# Altium PCB PCB_Designn.PcbDoc
Units mm, origin at the board's own origin, x right, y up, seen from the top; angles counter-clockwise.
Board outline 154 x 101 mm, 2 copper layers (Top Layer, Bottom Layer), stack 1.569 mm thick; 72 components, 70 nets, 254 pads, 34 vias.
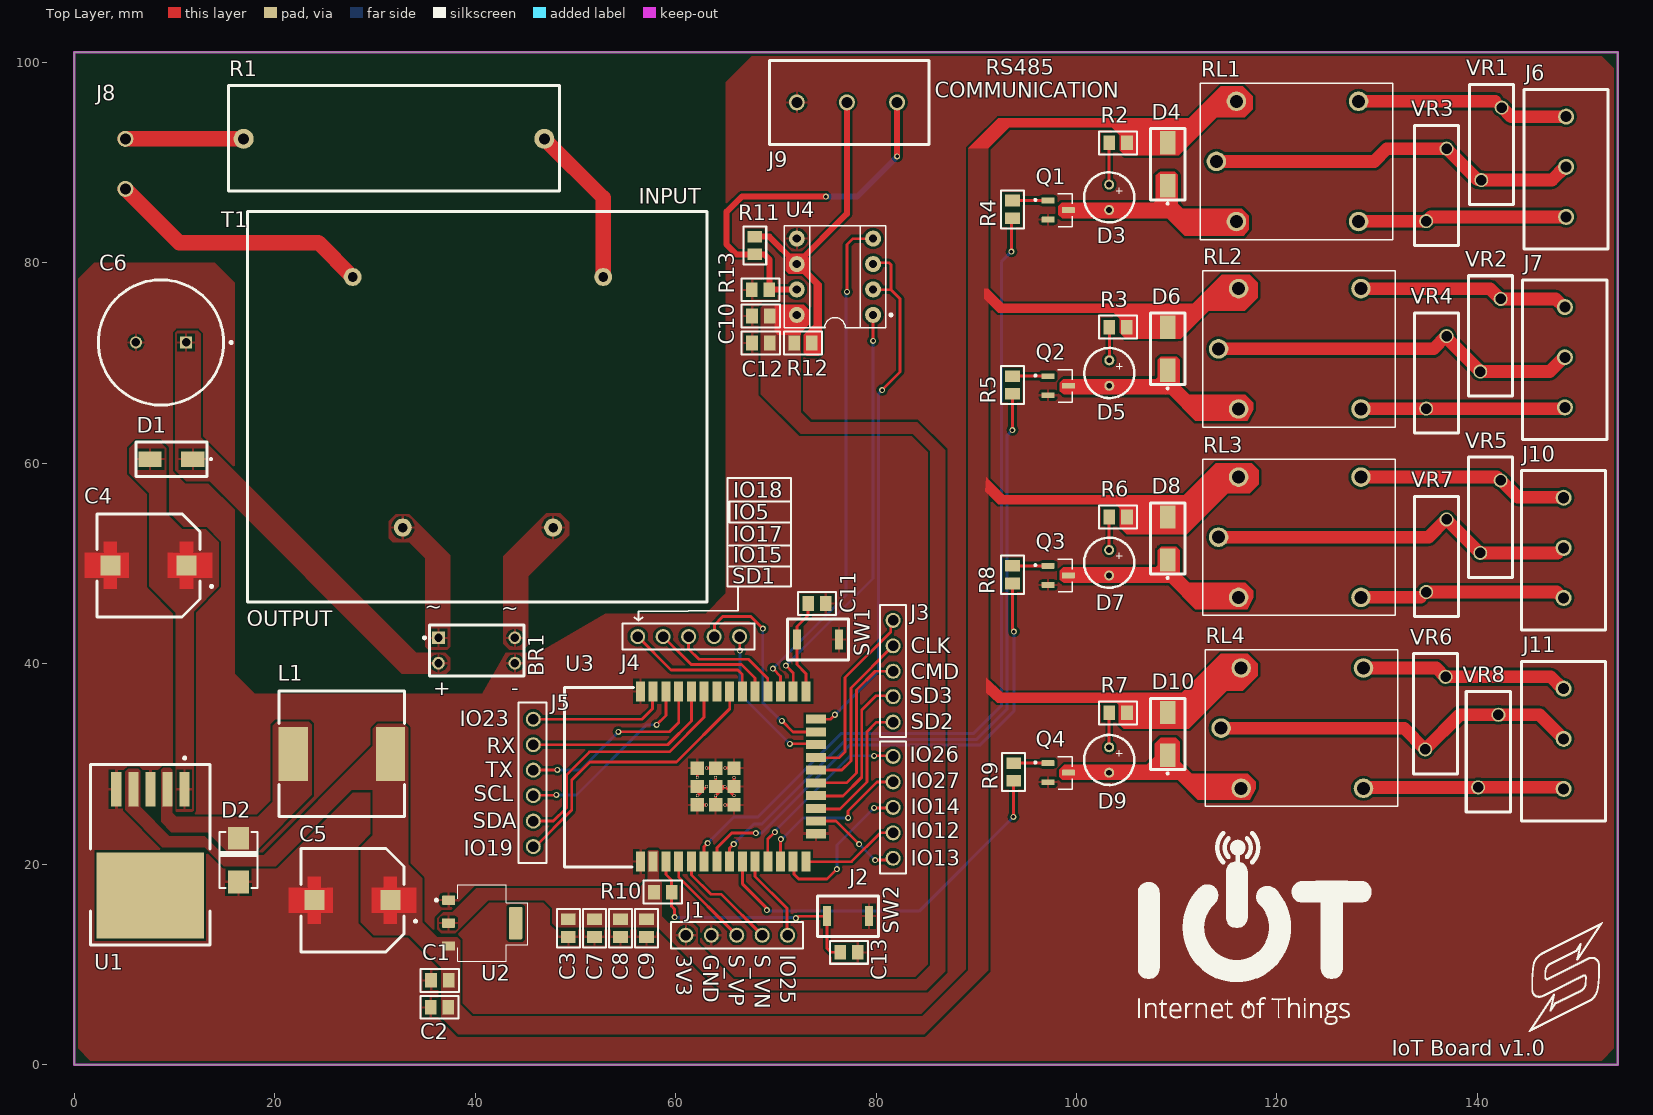
[diagram p0: Top Layer view]
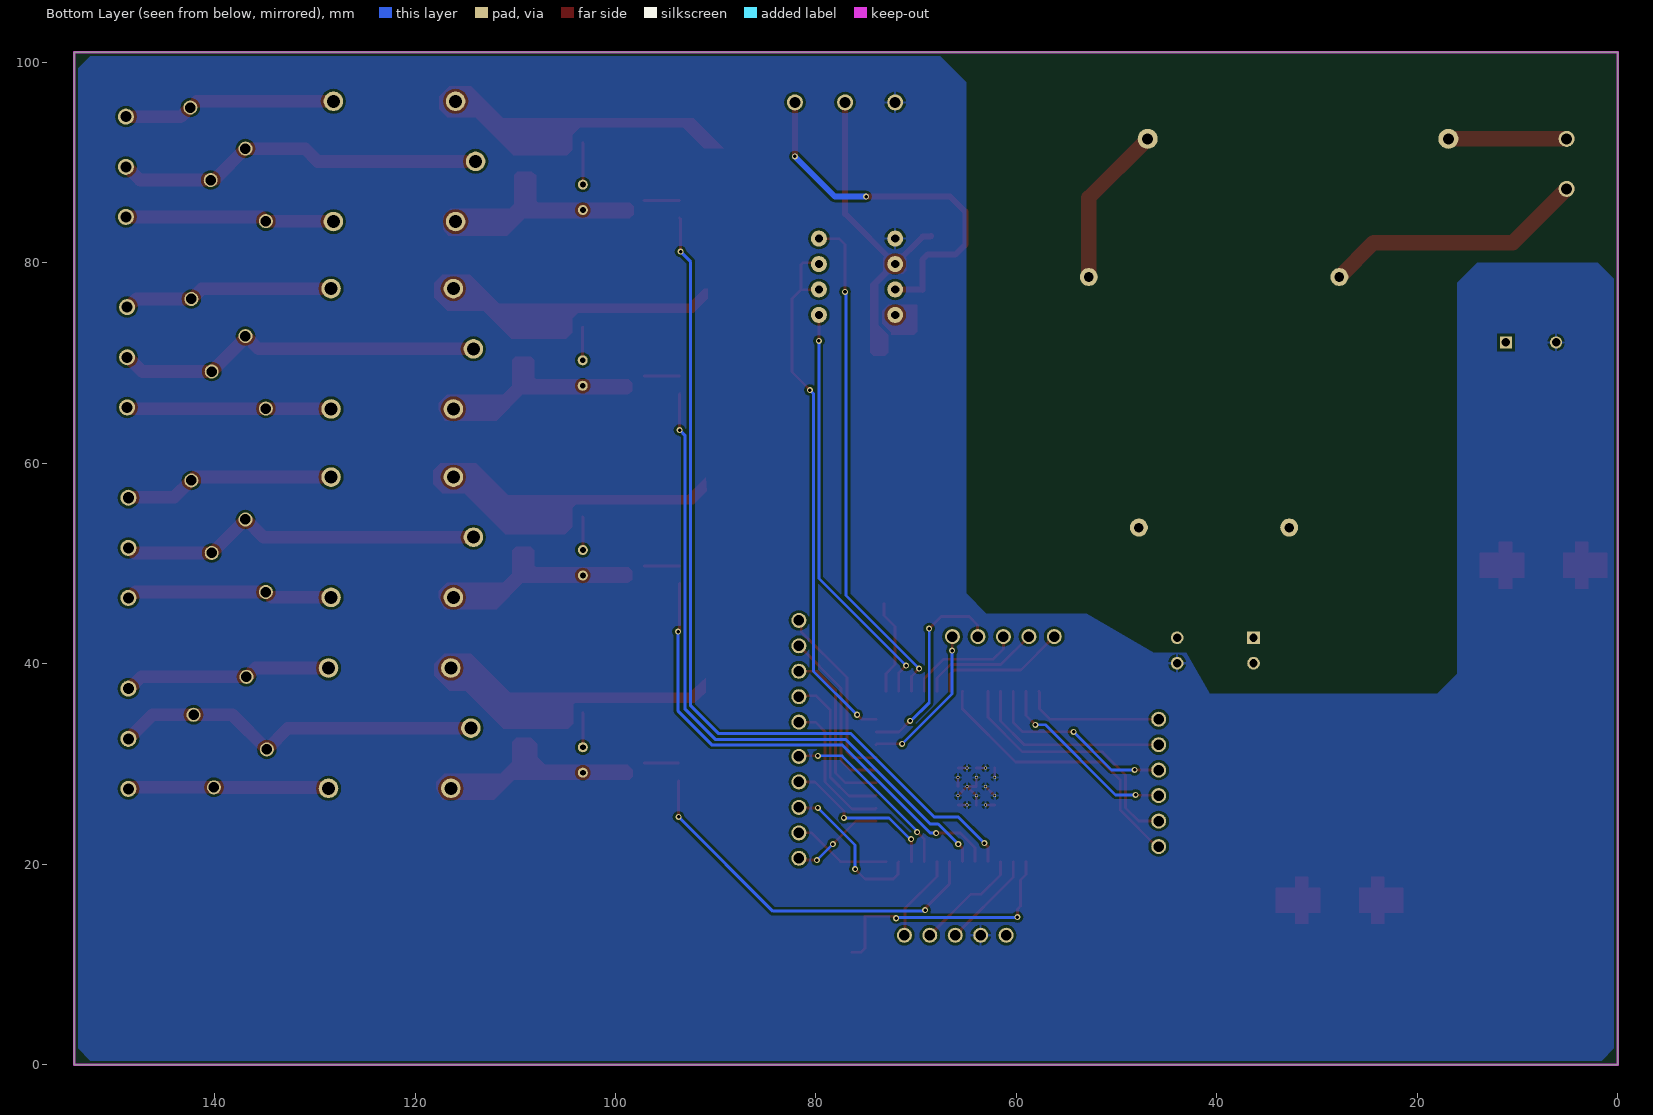
[diagram p1: Bottom Layer view, seen from below]
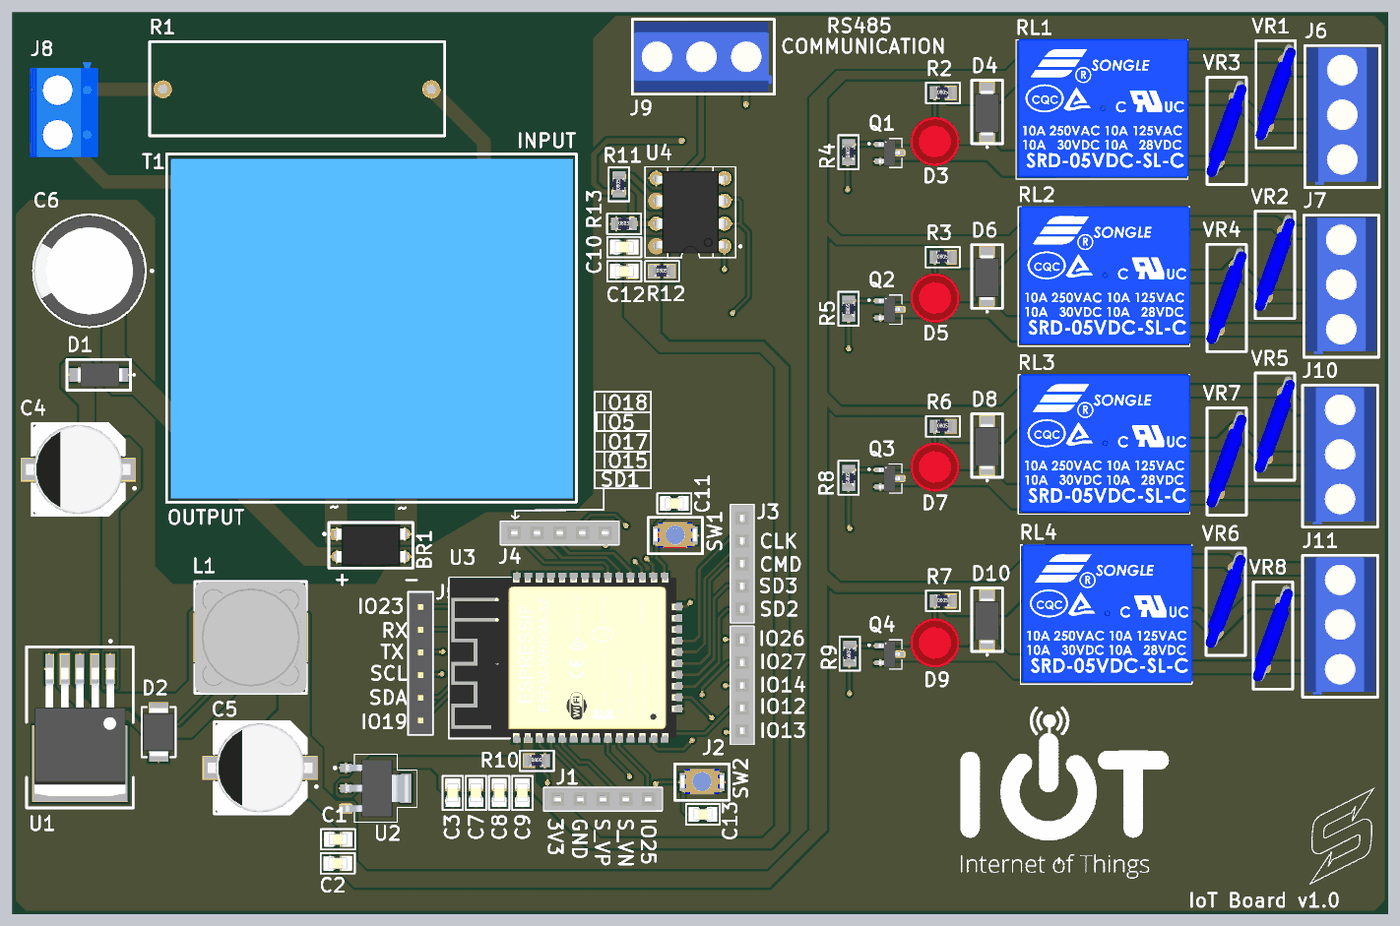
[diagram p2: 3D render of the assembled board from above, using the file's embedded part models]

## Layer stack, top to bottom
Top Solder: solder mask 0.0254, SM-001, Dk 4
Top Layer: signal copper 0.035
Dielectric 1: core 1.4986, Core-043, Dk 4.3
Bottom Layer: signal copper 0.035
Bottom Solder: solder mask 0.0254, SM-001, Dk 4

## Board outline
0,0 154,0 154,101 0,101

## Design rules (kind name [scope] priority, off if disabled: settings)
Clearance [All] p1: gap=0.254 ignorepadtopadclearanceinfootprint=FALSE except(0: Arc-Hole Track-Hole SMDPad-Hole THPad-Hole Via-Hole Fill-Hole Poly-Hole Region-Hole Text-Hole)
Height [All] p1: minheight=0 maxheight=40 prefheight=12.7
PolygonConnect [All] p1: connectstyle=Relief reliefconductorwidth=0.254 reliefentries=4 polygonreliefangle="90 Angle" airgapwidth=0.254
RoutingVias [All] p1: holewidth=0.711 width=1.27 viastyle="Through Hole" minholewidth=0.2 minwidth=0.4 maxholewidth=0.35 maxwidth=0.6
SolderMaskExpansion [All] p1: expansion=0.102 istentingtop=FALSE
Width [All] p1: maxlimit=2 minlimit=0.12 preferedwidth=0.254 minimp=50.000000 maximp=50.000000 favimp=50.000000
29 further rules are at their usual default settings.

## Components (designator, comment, footprint, x,y, rotation, side; value= is the part's Value field where it differs from the comment)
BR1 "MB10M" MB10M 40.151,41.31 r0 top
C1 "CAP CER 22uF 0805" "CAP CER 1uF 0805" 36.475,8.402 r0 top
C2 "CAP CER 22uF 0805" "CAP CER 22uF 0805" 36.443,5.713 r0 top
C3 "CAP CER 22uF 0805" "CAP CER 22uF 0805" 49.3,13.6 r90 top
C4 "CAP ALU 680uF SMD RADIAL" "CAP ALU 680uF SMD RADIAL" 7.4,49.8 r180 top
C5 "CAP ALU 220uF SMD RADIAL" "CAP ALU 220uF SMD RADIAL" 27.75,16.4 r180 top
C6 "NOBBY" "CAP ALU 470uF THT" 8.655,72.044 r180 top
C7 "CAP CER 22uF 0805" "CAP CER 22uF 0805" 51.9,13.6 r90 top
C8 "CAP CER 0.1uF 0805" "CAP CER 0.1uF 0805" 54.5,13.6 r90 top
C9 "CAP CER 22uF 0805" "CAP CER 1uF 0805" 57.1,13.6 r90 top
C10 "CAP CER 22uF 0805" "CAP CER 10uF 0805" 68.5,74.69 r0 top
C11 "CAP CER 0.1uF 0805" "CAP CER 0.1uF 0805" 74.1,46 r180 top
C12 "CAP CER 0.1uF 0805" "CAP CER 0.1uF 0805" 68.5,71.99 r0 top
C13 "CAP CER 0.1uF 0805" "CAP CER 0.1uF 0805" 77.3,11.2 r180 top
D1 "M7-KT 1N4007 SMD" "M7-KT 1N4007 SMD" 9.7,60.4 r180 top
D2 "1SMB5919BT3G" SMB 16.4,20.4 r270 top
D3 "LED RED THT" "LED RED THT" 103.254,86.522 r270 top
D4 "M7-KT 1N4007 SMD" "M7-KT 1N4007 SMD" 109.096,89.824 r90 top
D5 "LED RED THT" "LED RED THT" 103.272,68.996 r270 top
D6 "M7-KT 1N4007 SMD" "M7-KT 1N4007 SMD" 109.096,71.409 r90 top
D7 "LED RED THT" "LED RED THT" 103.254,50.073 r270 top
D8 "M7-KT 1N4007 SMD" "M7-KT 1N4007 SMD" 109.096,52.486 r90 top
D9 "LED RED THT" "LED RED THT" 103.254,30.388 r270 top
D10 "M7-KT 1N4007 SMD" "M7-KT 1N4007 SMD" 109.096,32.986 r90 top
J1 "1x5 Header" "1x5 Header" 61.02,12.9 r0 top
J2 "1x5 Header" "1x5 Header" 81.7,30.74 r270 top
J3 "1x5 Header" "1x5 Header" 81.7,34.16 r90 top
J4 "1x5 Header" "1x5 Header" 66.38,42.7 r180 top
J5 "1x6 Header" "1x6 Header" 45.8,28.1 r90 top
J6 "3 PIN TERMINAL 5mm THT" "3 PIN TERMINAL 5mm THT" 148.847,89.57 r270 top
J7 "3 PIN TERMINAL 5mm THT" "3 PIN TERMINAL 5mm THT" 148.72,70.567 r270 top
J8 "*2 PIN TERMINAL 5mm" "2 PIN TERMINAL 5mm THT" 5.8,90.064 r90 top
J9 "3 PIN TERMINAL 5mm THT" "3 PIN TERMINAL 5mm THT" 77.09,96 r0 top
J10 "3 PIN TERMINAL 5mm THT" "3 PIN TERMINAL 5mm THT" 148.593,51.55 r270 top
J11 "3 PIN TERMINAL 5mm THT" "3 PIN TERMINAL 5mm THT" 148.6,32.5 r270 top
L1 "SRR1260-330M" SRR1260-330M 26.7,31 r0 top
Q1 "BC847 NPN SMD SOT-23" "BC847 NPN SMD SOT-23" 98.174,85.252 r270 top
Q2 "BC847 NPN SMD SOT-23" "BC847 NPN SMD SOT-23" 98.174,67.726 r270 top
Q3 "BC847 NPN SMD SOT-23" "BC847 NPN SMD SOT-23" 98.174,48.803 r270 top
Q4 "BC847 NPN SMD SOT-23" "BC847 NPN SMD SOT-23" 98.174,29.118 r270 top
R1 "5W1kJLGE" 5W1kJLGE 31.896,92.364 r0 top
R2 "RES 1K OHM 805" "RES 1K OHM 805" 103.272,91.964 r0 top
R3 "RES 1K OHM 805" "RES 1K OHM 805" 103.254,73.568 r0 top
R4 "RES 1K OHM 805" "RES 1K OHM 805" 93.602,84.442 r90 top
R5 "RES 1K OHM 805" "RES 1K OHM 805" 93.602,66.916 r90 top
R6 "RES 1K OHM 805" "RES 1K OHM 805" 103.272,54.626 r0 top
R7 "RES 1K OHM 805" "RES 1K OHM 805" 103.272,35.087 r0 top
R8 "RES 1K OHM 805" "RES 1K OHM 805" 93.602,47.993 r90 top
R9 "RES 1K OHM 805" "RES 1K OHM 805" 93.729,28.306 r90 top
R10 "RES 10K OHM 805" "RES 10K OHM 805" 57.84,17.2 r0 top
R11 "RES 120R OHM 805" "RES 120R OHM 805" 67.9,80.84 r90 top
R12 "RES 20K OHM 805" "RES 20K OHM 805" 71.84,72 r0 top
R13 "RES 20K OHM 805" "RES 20K OHM 805" 67.6,77.3 r0 top
RL1 "SRD-03VDC-SL-C" SRD-03VDC-SL-C 121.946,90.109 r0 top
RL2 "SRD-03VDC-SL-C" SRD-03VDC-SL-C 122.177,71.409 r0 top
RL3 "SRD-03VDC-SL-C" SRD-03VDC-SL-C 122.177,52.613 r0 top
RL4 "SRD-03VDC-SL-C" SRD-03VDC-SL-C 122.431,33.563 r0 top
SW1 "SKRKAEE010" SKRKAEE010 74.2,42.4 r180 top
SW2 "SKRKAEE010" SKRKAEE010 77.2,14.8 r180 top
T1 "El 48/16.5 8.0VA" "El 48/16.5 8.0VA" 40.278,66.075 r180 top
U1 "LM2596T 5.0" "LM2596T 5.0" 7.59,16.867 r180 top
U2 "AMS1117-3.3" AMS1117-3.3 40.7,14.11 r270 top
U3 "ESP32-WROOM-32D" ESP32-WROOM-32D 61.755,28.742 r90 top
U4 "MAX485" MAX485 75.9,78.6 r180 top
VR1 "B72210S0151K101" B72210S0151K101 141.4,91.8 r270 top
VR2 "B72210S0151K101" B72210S0151K101 141.3,72.7 r270 top
VR3 "B72210S0151K101" B72210S0151K101 135.9,87.7 r270 top
VR4 "B72210S0151K101" B72210S0151K101 135.9,69 r270 top
VR5 "B72210S0151K101" B72210S0151K101 141.3,54.6 r270 top
VR6 "B72210S0151K101" B72210S0151K101 135.8,35 r270 top
VR7 "B72210S0151K101" B72210S0151K101 135.9,50.7 r270 top
VR8 "B72210S0151K101" B72210S0151K101 141.084,31.217 r270 top

## Footprints (in the part's own frame and the unit in brackets; to place one, negate y for a bottom-side part, rotate by r counter-clockwise, add the part's x,y. Pads: shape width x height; smd on the part's side, far side on the other; paste and mask are expansions set on the pad)
"1x5 Header" [mm]
  round 1.5 hole 1.04 mask+0.05: 1(0,0) 2(2.54,0) 3(5.08,0) 4(7.62,0) 5(10.16,0)
  silkscreen extent -1.5,-1.3 11.7,1.3, body extent -1.5,-1.27 11.7,1.27, height 8.5
"1x6 Header" [mm]
  round 1.5 hole 1.04 mask+0.05: 1(-6.35,0) 2(-3.81,0) 3(-1.27,0) 4(1.27,0) 5(3.81,0) 6(6.35,0)
  silkscreen extent -8,-1.3 8,1.5, body extent -7.92,-1.2 7.82,1.34, height 8.5
"2 PIN TERMINAL 5mm THT" [mm]
  round 1.6 hole 1.1 mask+0.05: 1(-2.7,0.7) 2(2.3,0.7)
  body extent -5.3,-3.8 5.3,3.8, height 10
"3 PIN TERMINAL 5mm THT" [mm]
  round 1.6 hole 1.1 mask+0.05: 1(-5,0) 2(0,0) 3(5,0)
  silkscreen extent -7.7,-4.2 8.2,4.2, body extent -7.44,-3.9 7.89,3.9, height 10.18
5W1kJLGE [mm]
  round 2 hole 1.1 mask+0.05: 1(-15,0) 2(15,0)
  silkscreen extent -16.51,-5.21 16.51,5.33, body extent -15.4,-4.83 15.4,4.83, height 9.65
AMS1117-3.3 [mm]
  rrect15% 0.93x1.31 smd: 1(-2.29,-3.345) 2(0,-3.345) 3(2.29,-3.345)
  rrect15% 3.24x1.31 smd: 4(0,3.345)
  silkscreen extent -3.81,-4.67 3.81,4.57, body extent -3.25,-3.37 3.25,3.63, height 1.77
B72210S0151K101 [mm]
  round 1.4 hole 1.05: 1(-3.683,1.016) 2(3.556,-1.016)
  silkscreen extent -6,-2.2 6,2.2, body extent -5.82,-2.78 5.44,2.82, height 16.4
"BC847 NPN SMD SOT-23" [mm]
  rrect25% 0.59x1.32 smd: 1(-0.95,-1.015) 2(0.95,-1.015) 3(0,1.015)
  silkscreen extent -1.61,-2.39 1.65,1.4, body extent -1.45,-1.18 1.45,1.18, height 1.3
"CAP ALU 220uF SMD RADIAL" [mm]
  rect 2x2 smd paste-2 mask+0: 1(-3.8,0) 2(3.8,0)
  Top Layer region: 4.45,1.25 6.35,1.25 6.35,-1.25 4.45,-1.25 4.45,-2.35 3.15,-2.35 3.15,-1.25 1.95,-1.25 1.95,1.25 3.15,1.25 3.15,2.35 4.45,2.35
  Top Layer region: -3.15,1.25 -1.95,1.25 -1.95,-1.25 -3.15,-1.25 -3.15,-2.35 -4.45,-2.35 -4.45,-1.25 -6.35,-1.25 -6.35,1.25 -4.45,1.25 -4.45,2.35 -3.15,2.35
  silkscreen extent -6.4,-5.15 5.15,5.15, body extent -5.85,-5.15 5.85,5.15, height 10.5
"CAP ALU 470uF THT" [mm]
  rect 1.2x1.2 hole 0.85: 1(-2.5,0)
  round 1.2 hole 0.85: 2(2.5,0)
  silkscreen extent -7.1,-6.25 6.25,6.25, body extent -6.25,-6.25 6.25,6.25, height 12.5
"CAP ALU 680uF SMD RADIAL" [mm]
  rect 2x2 smd paste-2 mask+0: 1(-3.8,0) 2(3.8,0)
  Top Layer region: -3.15,1.25 -1.95,1.25 -1.95,-1.25 -3.15,-1.25 -3.15,-2.35 -4.45,-2.35 -4.45,-1.25 -6.35,-1.25 -6.35,1.25 -4.45,1.25 -4.45,2.35 -3.15,2.35
  Top Layer region: 4.45,1.25 6.35,1.25 6.35,-1.25 4.45,-1.25 4.45,-2.35 3.15,-2.35 3.15,-1.25 1.95,-1.25 1.95,1.25 3.15,1.25 3.15,2.35 4.45,2.35
  silkscreen extent -6.4,-5.15 5.15,5.15, body extent -5.85,-5.15 5.85,5.15, height 10.5
"CAP CER 0.1uF 0805" [mm]
  rect 1.16x1.47 smd: 1(-0.88,0) 2(0.88,0)
  silkscreen extent -1.91,-1.14 1.91,1.14, body extent -1.6,-0.82 1.6,0.83, height 1.27
"CAP CER 1uF 0805" [mm]
  rect 1.16x1.47 smd: 1(-0.88,0) 2(0.88,0)
  silkscreen extent -1.91,-1.14 1.91,1.14, body extent -1.6,-0.82 1.6,0.83, height 1.27
"CAP CER 10uF 0805" [mm]
  rect 1.16x1.47 smd: 1(-0.88,0) 2(0.88,0)
  silkscreen extent -1.91,-1.14 1.91,1.14, body extent -1.6,-0.82 1.6,0.83, height 1.27
"CAP CER 22uF 0805" [mm]
  rect 1.16x1.47 smd: 1(-0.88,0) 2(0.88,0)
  silkscreen extent -1.91,-1.14 1.91,1.14, body extent -1.6,-0.82 1.6,0.83, height 1.27
"El 48/16.5 8.0VA" [mm]
  round 1.8 hole 0.95: 1(-12.5,-12.5) 6(12.5,-12.5) 8(7.5,12.5) 11(-7.5,12.5)
  silkscreen extent -22.86,-19.05 23,19.94, body extent -22.5,-18.5 22.5,19.5, height 38.5
ESP32-WROOM-32D [mm]
  rect 2x0.9 smd mask+0.05: 1(-8.5,5.26) 2(-8.5,3.99) 3(-8.5,2.72) 4(-8.5,1.45) 5(-8.5,0.18) 6(-8.5,-1.09) 7(-8.5,-2.36) 8(-8.5,-3.63) 9(-8.5,-4.9) 10(-8.5,-6.17) 11(-8.5,-7.44) 12(-8.5,-8.71) 13(-8.5,-9.98) 14(-8.5,-11.25) 25(8.5,-11.25) 26(8.5,-9.98) 27(8.5,-8.71) 28(8.5,-7.44) 29(8.5,-6.17) 30(8.5,-4.9) 31(8.5,-3.63) 32(8.5,-2.36) 33(8.5,-1.09) 34(8.5,0.18) 35(8.5,1.45) 36(8.5,2.72) 37(8.5,3.99) 38(8.5,5.26)
  rect 0.9x2 smd mask+0.05: 15(-5.715,-12.25) 16(-4.445,-12.25) 17(-3.175,-12.25) 18(-1.905,-12.25) 19(-0.635,-12.25) 20(0.635,-12.25) 21(1.905,-12.25) 22(3.175,-12.25) 23(4.445,-12.25) 24(5.715,-12.25)
  rect 1.33x1.33 smd mask+0.05: 39(-2.835,-2.24) 39(-2.835,-0.405) 39(-2.835,-4.075) 39(-1,-0.405) 39(-1,-4.075) 39(-1,-2.24) 39(0.835,-0.405) 39(0.835,-4.075) 39(0.835,-2.24)
  round 0.3 hole 0.2 mask+0.05: 39(-2.835,-1.322) 39(-2.835,-3.157) 39(-1.917,-2.24) 39(-1.917,-0.405) 39(-1.917,-4.075) 39(-1,-1.322) 39(-1,-3.157) 39(-0.082,-0.405) 39(-0.082,-2.24) 39(-0.082,-4.075) 39(0.835,-1.322) 39(0.835,-3.157)
  silkscreen extent -9.02,5.97 8.89,12.83, body extent -8.97,-12.6 8.93,12.8, height 2.61
"LED RED THT" [mm]
  round 1 hole 0.58 mask+0.05: 1(-1.27,0) 2(1.27,0)
  silkscreen extent -2.5,-2.5 2.5,2.5, body extent -2.75,-2.75 2.75,2.75, height 8.7
"LM2596T 5.0" [mm]
  rect 1x3.4 smd paste-3 mask+0: 1(-3.4,-10.6) 2(-1.7,-10.6) 3(0,-10.6) 4(1.7,-10.6) 5(3.4,-10.6)
  rect 10.7x8.6 smd paste-6 mask+0: 6(0,0)
  silkscreen extent -5.97,-13.82 5.97,4.95, body extent -5.08,-10.73 5.08,3.62, height 4.65
"M7-KT 1N4007 SMD" [mm]
  rect 2.33x1.56 smd: 1(-2.14,0) 2(2.14,0)
  silkscreen extent -4.04,-1.73 3.55,1.73, body extent -2.73,-1.36 2.47,1.36, height 2.7
MAX485 [mil]
  round 63 hole 32: 1(-150,150) 2(-150,50) 3(-150,-50) 4(-150,-150) 5(150,-150) 6(150,-50) 7(150,50) 8(150,150)
  silkscreen extent -224,-200 200,200, body extent -155,-181 155,181, height 148
MB10M [mm]
  rect 1.26x1.26 hole 0.84: 1(-3.81,1.27)
  round 1.26 hole 0.84: 2(3.81,1.27) 3(-3.81,-1.27) 4(3.81,-1.27)
  silkscreen extent -5.31,-2.55 4.7,2.55, body extent -3.93,-2.36 3.94,2.36, height 4.7
"RES 1K OHM 805" [mm]
  rect 1.16x1.47 smd: 1(0,0) 2(1.76,0)
  silkscreen extent -1.02,-1.14 2.79,1.14, body extent -0.15,-0.59 1.85,0.66, height 0.61
"RES 10K OHM 805" [mm]
  rect 1.16x1.47 smd: 1(0,0) 2(1.76,0)
  silkscreen extent -1.02,-1.14 2.79,1.14, body extent -0.15,-0.59 1.85,0.66, height 0.61
"RES 20K OHM 805" [mm]
  rect 1.16x1.47 smd: 1(0,0) 2(1.76,0)
  silkscreen extent -1.02,-1.14 2.79,1.14, body extent -0.15,-0.59 1.85,0.66, height 0.61
"RES 120R OHM 805" [mm]
  rect 1.16x1.47 smd: 1(0,0) 2(1.76,0)
  silkscreen extent -1.02,-1.14 2.79,1.14, body extent -0.15,-0.59 1.85,0.66, height 0.61
SKRKAEE010 [mm]
  rect 0.8x2 smd: 1(-2.1,0) 2(2.1,0)
  silkscreen extent -3.05,-2.03 3.05,2.03, body extent -2.4,-1.52 2.4,1.38, height 2
SMB [mm]
  rect 2.25x2.12 smd mask+0.05: A(2.185,0) C(-2.185,0)
  silkscreen extent -2.8,-1.9 2.8,1.9, body extent -2.72,-1.78 2.72,1.78, height 2.44
SRD-03VDC-SL-C [mm]
  round 1.95 hole 1.3: 1(-6,6) 2(-6,-6) 3(-8,0) 4(6.2,6) 5(6.2,-6)
  silkscreen extent -9.6,-7.8 9.6,7.8, body extent -9.42,-7.62 9.68,7.88, height 15.4
SRR1260-330M [mm]
  rect 2.9x5.4 smd: 1(-4.85,0) 2(4.85,0)
  silkscreen extent -6.25,-6.25 6.25,6.25, body extent -6.25,-6.25 6.25,6.25, height 6

## Part data
BR1: "Bridge Diode AC-DC"
C1 C9: library part "CAP CER 1uF 0805", "1uF 16V 10% x5R 805 SMD Capacitor"
C2 C3 C7: "22uF 16V 10% x5R 805 SMD Capacitor"
C4: "CAP ALU 680uF SMD"
C5: "CAP ALU 220uF SMD"
C6: library part "CAP ALU 470uF THT", "CAP ALU 470uF Normal"
C8 C11 C12 C13: "0.1uF 16V 10% x5R 805 SMD Capacitor"
C10: library part "CAP CER 10uF 0805", "10uF 16V 10% x5R 805 SMD Capacitor"
D1 D4 D6 D8 D10: "M7-KT - 1N4007 - SMD Diyot 1A 1000V"
D2: "Diode Zener Single 5.6V 5% 3W 2-Pin SMB T/R", Breakdown Voltage=5.88V, Case/Package=SMB, Forward Voltage=1.5V, Manufacturer="ON Semiconductor", Max Operating Temperature=150°C, Max Power Dissipation=3W, Max Reverse Current=5uA, Min Operating Temperature=-65°C, Package Quantity=1, Power Dissipation=550mW, Supplier Part Number 1=1SMB5919BT3GOSCT-ND, Test Current=66.9mA, Tolerance=5%, Voltage Rating (DC)=5.6V, Zener Current=267mA, Category="Zener Diodes", ComponentLink1Description=https://datasheet.ciiva.com/27747/1308331-27747654.pdf?src-supplier=Jameco, ComponentLink1URL=https://datasheet.ciiva.com/27747/1308331-27747654.pdf?src-supplier=Jameco, ComponentLink2Description=https://datasheet.ciiva.com/1182/1smb5913bt3-d-1182657.pdf?src-supplier=Element14, ComponentLink2URL=https://datasheet.ciiva.com/1182/1smb5913bt3-d-1182657.pdf?src-supplier=Element14, ComponentLink3Description=https://datasheet.ciiva.com/1182/1smb5913bt3-d-1182658.pdf?src-supplier=Element14, ComponentLink3URL=https://datasheet.ciiva.com/1182/1smb5913bt3-d-1182658.pdf?src-supplier=Element14, ComponentLink4Description=https://datasheet.ciiva.com/895/1smb5913bt3-d-895203.pdf?src-supplier=Digi-Key, ComponentLink4URL=https://datasheet.ciiva.com/895/1smb5913bt3-d-895203.pdf?src-supplier=Digi-Key, ComponentLink5Description=https://datasheet.ciiva.com/895/1smb5913bt3-d-895204.pdf?src-supplier=Digi-Key, ComponentLink5URL=https://datasheet.ciiva.com/895/1smb5913bt3-d-895204.pdf?src-supplier=Digi-Key, ComponentLink6Description=https://datasheet.ciiva.com/895/1smb5913bt3-d-895205.pdf?src-supplier=Digi-Key, ComponentLink6URL=https://datasheet.ciiva.com/895/1smb5913bt3-d-895205.pdf?src-supplier=Digi-Key, ComponentLink7Description=https://datasheet.ciiva.com/15198/getdatasheetpartid-311040-15198695.pdf?src-supplier=Verical, ComponentLink7URL=https://datasheet.ciiva.com/15198/getdatasheetpartid-311040-15198695.pdf?src-supplier=Verical, ComponentLink8Description=https://datasheet.ciiva.com/16311/1smb5913bt3-d-16311847.pdf?src-supplier=Future+Electronics, ComponentLink8URL=https://datasheet.ciiva.com/16311/1smb5913bt3-d-16311847.pdf?src-supplier=Future+Electronics, ComponentLink9Description=https://datasheet.ciiva.com/16472/1smb5913bt3-d-16472779.pdf?src-supplier=Avnet+Asia, ComponentLink9URL=https://datasheet.ciiva.com/16472/1smb5913bt3-d-16472779.pdf?src-supplier=Avnet+Asia, Contact Plating=Tin,Matte, Designed by=BERK, Element Configuration=Single, ESD Protection=Yes, Halogen Free="Halogen Free", Height=2.13mm, Lead Free="Lead Free", Length=4.32mm, Manufacturer Part Number=1SMB5919BT3G, Material=Plastic, Max Reverse Leakage Current=5uA, Number of Pins=2, Packaging="Tape and Reel", Power Rating=3W, Pricing 1="1=0,45000, 10=0,31900, 100=0,16110, 500=0,14274, 1000=0,11109 (USD)", Radiation Hardening=No, REACH SVHC="No SVHC", RoHS=Yes, Supplier 1=Digi-Key, Voltage Tolerance=5%, Width=3.56mm, Working Voltage=5.6V, Zener Voltage=5.6V, Impedance=2R
D3 D5 D7 D9: "Throught LED"
J6 J7 J9 J10 J11: "3 Position Wire to Board Terminal Block Horizontal with Board 0.197\" (5.00mm) Through Hole"
J8: library part "2 PIN TERMINAL 5mm THT", "2 Position Wire to Board Terminal Block Horizontal with Board 0.197\" (5.00mm) Through Hole"
L1: "33 µH Shielded Drum Core, Wirewound Inductor 3 A 60mOhm Max Nonstandard"
Q1 Q2 Q3 Q4: "BC847 Transistör NPN SMD SOT-23100mA, 45V"
R1: "Resistor 5 Watt Cermet Wirewound Flameproof 1KOhm 5% Axial Lead"
R2 R3 R4 R5 R6 R7 R8 R9: "1K 805 1/8 SMD Direnç"
R10: "10K 805 1/8 SMD Direnç"
R11: "120Ohm 805 1/8 SMD Direnç"
R12 R13: "20K 805 1/8 SMD Direnç"
RL1 RL2 RL3 RL4: "Relays General Purpose Non Latching 3VDC SPDT 10A (250VAC) Max 5PIN"
SW1 SW2: "Switch Tactile N.O. SPST Round Button Gull Wing 0.05A 12VDC 1.57N SMD T/R"
T1: "230VAC-6VAC Transformer 8VA"
U1: "SIMPLE SWITCHER&reg; 4.5V to 40V, 3A Low Component Count Step-Down Regulator 5-TO-220"
U2: "Sot223/Pkg 1-Amp 3.3-Volt Low Drop Out Voltage Regulatator"
U3: "SMD MODULE, ESP32-D0WDQ6, 32MBIT"
U4: "1/1 Transceiver Half RS422, RS485 8-uMAX-EP"
VR1 VR2 VR3 VR4 VR5 VR6 VR7 VR8: "240 V 2.5 kA Varistor 1 Circuit Through Hole Disc 10mm"

## Via types
v1: diameter 0.6, hole 0.35, Top Layer to Bottom Layer, 34 vias

## Nets (pads, with @x,y where several pads share a name; then routed paths per layer and width w, separated by ;. In a path a pad name is that pad's centre, name@x,y a point inside that pad or via, vN(x,y) a via of type N, cw(c..) or ccw(c..) an arc to the next point about the centre after c; other vN are vias at no path point)
3V3DC: C3.2 C7.2 C8.2 C9.2 C10.2 C12.2 J1.1 R10.1 R12.1 U2.2 U3.2 U4.8
5VDC: C1.2 C2.2 C5.1 D4.2 D6.2 D8.2 D10.2 L1.2 R2.2 R3.2 R6.2 R7.2 RL1.1 RL2.1 RL3.1 RL4.1 U1.4 U2.3
9VDC: C4.1 D1.2 U1.1
AC_LINE_1: J8.2 R1.1 | length 11.8
  Top Layer w1.524: J8.2 R1.1
AC_LINE_2: J8.1 T1.6 | length 26.3
  Top Layer w1.524: J8.1 10.464,82 24.353,82 T1.6
CLK: J3.4 U3.20 | length 17.1
  Top Layer w0.279: U3.20 76.577,29.377 77.5,30.3 77.5,37.58 J3.4
CMD: J3.3 U3.19 | length 17.1
  Top Layer w0.279: U3.19 77.041,28.107 78.034,29.1 78.034,37.36 79.914,39.24 J3.3
COM1: J6.2 RL1.3 VR1.2 VR3.1 | length 37.3
  Top Layer w1.27: RL1.3 129.709,90.109 130.983,91.383 VR3.1 140.03,88.269 140.359,88.269 VR1.2 147.432,88.244 148.758,89.57 J6.2
COM2: J7.2 RL2.3 VR2.2 VR4.1 | length 37.2
  Top Layer w1.27: RL2.3 135.607,71.409 136.881,72.683 VR4.1 136.941,72.658 136.941,72.487 VR2.2 147.208,69.144 148.631,70.567 J7.2
COM3: J10.2 RL3.3 VR5.2 VR7.1 | length 36.7
  Top Layer w1.27: RL3.3 135.111,52.613 136.881,54.383 VR7.1 136.93,54.383 140.269,51.044 VR5.2 147.998,51.044 148.504,51.55 J10.2
COM4: J11.2 RL4.3 VR6.2 VR8.1 | length 37.5
  Top Layer w1.27: RL4.3 132.665,33.563 VR6.2 138.24,34.9 VR8.1 146.2,34.9 J11.2
EN: C13.2 R10.2 SW2.2 U3.3 | length 25.9
  Top Layer w0.279: U3.3 59.035,18.965 59.6,18.4 R10.2 59.6,15.8 59.9,15.5 v1(59.9,14.7) ; v1(72,14.596) 72.087,14.596 72.291,14.8 SW2.2 75.1,11.6 75.5,11.2 C13.2
  Bottom Layer w0.279: v1(59.9,14.7) 59.943,14.656 71.94,14.656 v1(72,14.596)
GND: BR1.4 C1.1 C2.1 C3.1 C4.2 C5.2 C6.2 C7.1 C8.1 C9.1 C10.1 C11.1 C12.1 C13.1 D2.A J1.2 J9.1 Q1.2 Q2.2 Q3.2 Q4.2 R13.1 SW1.1 SW2.1 U1.3 U1.5 U2.1 U3.1 U3.15 U3.38 U3.39 U4.5 | length 12.2
  Top Layer w0.279: U3.39@62.16,25.907 U3.39@63.078,25.907 ; U3.39@62.16,26.825 U3.39@63.078,27.742 ; U3.39@62.16,28.66 U3.39@62.16,29.577 ; U3.39@63.078,29.577 U3.39@63.995,29.577 ; U3.39@63.995,25.907 63.995,26.825 U3.39@64.913,27.742 ; U3.39@63.995,28.66 63.995,27.742 U3.39@64.913,27.742 ; U3.39@64.913,25.907 U3.39@65.83,25.907 ; U3.39@64.913,29.577 U3.39@65.83,29.577 ; U3.39@65.83,26.825 U3.39@64.913,27.742 ; U3.39@65.83,27.742 U3.39@65.83,28.66
GPIO32: R5.1 U3.8 | length 66.4
  Top Layer w0.3: U3.8 65.385,21.585 v1(65.8,22) ; v1(93.6,63.3) 93.6,66.914 R5.1
  Bottom Layer w0.3: v1(65.8,22) 67.8,24 68.6,24 77.052,32.452 90.052,32.452 93.046,35.446 93.046,62.746 v1(93.6,63.3)
GPIO33: R9.1 U3.9 | length 38
  Top Layer w0.3: U3.9 66.655,18.045 69.1,15.6 v1(69.1,15.4) ; v1(93.7,24.7) 93.7,28.277 R9.1
  Bottom Layer w0.3: v1(69.1,15.4) 69.2,15.3 84.3,15.3 v1(93.7,24.7)
GPIO34: R4.1 U3.6 | length 86.1
  Top Layer w0.3: U3.6 62.845,21.745 v1(63.2,22.1) ; v1(93.5,81.1) 93.5,84.34 R4.1
  Bottom Layer w0.3: v1(63.2,22.1) 65.8,24.7 68.2,24.7 76.506,33.006 89.706,33.006 92.492,35.792 92.492,80.092 v1(93.5,81.1)
GPIO35: R8.1 U3.7 | length 49.5
  Top Layer w0.3: U3.7 64.115,21.615 65.6,23.1 v1(68,23.1) ; R8.1 93.6,47.991 93.6,43.431 93.75,43.281 v1(93.75,43.2)
  Bottom Layer w0.3: v1(68,23.1) 68.6,23.1 77.398,31.898 90.398,31.898 93.75,35.25 v1(93.75,43.2)
IO0: C11.2 SW1.2 U3.25 | length 9.6
  Top Layer w0.279: U3.25 73.005,38.995 72.1,39.9 SW1.2 72.1,43.7 73.22,44.82 C11.2
IO2: U3.24 U4.2 U4.3 | length 53.8
  Top Layer w0.279: U3.24 75.457,34.457 v1(75.9,34.9) ; U4.2 79.74,77.3 81.5,77.3 ; U4.3 79.84,80 81.3,80 81.5,79.8 81.5,77.3 ; v1(80.6,67.3) 82.4,69.1 82.4,76.4 81.5,77.3
  Bottom Layer w0.279: v1(75.9,34.9) 80.233,39.233 80.233,66.933 v1(80.6,67.3)
IO4: U3.26 U4.1 | length 41.5
  Top Layer w0.279: v1(71,39.8) 71.735,39.065 U3.26 ; v1(79.7,72.2) 79.705,72.205 79.705,74.785 U4.1
  Bottom Layer w0.279: v1(71,39.8) 79.7,48.5 v1(79.7,72.2)
IO5: J4.4 U3.29 | length 12.2
  Top Layer w0.279: J4.4 61.56,39.9 66.581,39.9 67.925,38.556 U3.29
IO12: J2.4 U3.14 | length 9.9
  Top Layer w0.279: U3.14 77.542,20.242 80.42,23.12 J2.4
IO13: J2.5 U3.16 | length 9.4
  Top Layer w0.279: U3.16 76.003,24.297 v1(78.3,22) ; v1(79.9,20.4) 81.52,20.4 J2.5
  Bottom Layer w0.279: v1(78.3,22) v1(79.9,20.4)
IO14: J2.3 U3.13 | length 15.8
  Top Layer w0.279: U3.13 71.804,20.173 71.804,18.987 72.291,18.5 75.1,18.5 v1(76.1,19.5) ; v1(79.8,25.6) 81.64,25.6 J2.3
  Bottom Layer w0.279: v1(76.1,19.5) 76.1,21.9 v1(79.8,25.6)
IO15: J4.2 U3.23 | length 20.8
  Top Layer w0.279: J4.2 63.869,42.728 63.869,43.869 64.7,44.7 67.5,44.7 v1(68.7,43.5) ; v1(70.6,34.3) 71.713,33.187 U3.23
  Bottom Layer w0.279: v1(68.7,43.5) 68.7,36.1 70.5,34.3 v1(70.6,34.3)
IO16: U3.27 U4.4 | length 50.8
  Top Layer w0.279: v1(69.7,39.5) 70.465,38.735 U3.27 ; v1(77.1,77.1) 77.1,81.8 77.7,82.4 79.7,82.4 U4.4
  Bottom Layer w0.279: v1(69.7,39.5) 77,46.8 77,77 v1(77.1,77.1)
IO17: J4.3 U3.28 | length 11.6
  Top Layer w0.279: J4.3 61.3,41.463 62.33,40.433 67.267,40.433 69.195,38.505 U3.28
IO18: J4.5 U3.30 | length 13.7
  Top Layer w0.279: J4.5 59.553,39.367 66.2,39.367 66.655,38.912 U3.30
IO19: J5.1 U3.31 | length 28.8
  Top Layer w0.279: J5.1 46.004,21.75 49.633,25.379 49.633,28.4 51.433,30.2 60.1,30.2 65.4,35.5 65.4,37.227 U3.31
IO23: J5.6 U3.37 | length 14.1
  Top Layer w0.279: J5.6 56.65,34.45 57.7,35.5 57.7,37.177 U3.37
IO25: J1.5 U3.10 | length 8.7
  Top Layer w0.279: U3.10 67.925,18.775 71.1,15.6 71.1,12.98 J1.5
IO26: J2.1 U3.11 | length 18.3
  Top Layer w0.279: U3.11 69.195,22.495 v1(69.9,23.2) ; v1(79.8,30.8) 81.64,30.8 J2.1
  Bottom Layer w0.279: v1(69.9,23.2) 69.9,23.3 77.4,30.8 v1(79.8,30.8)
IO27: J2.2 U3.12 | length 16.2
  Top Layer w0.279: U3.12 70.465,22.465 v1(70.5,22.5) ; v1(77.2,24.6) 77.2,25.3 80.1,28.2 J2.2
  Bottom Layer w0.279: v1(70.5,22.5) 70.6,22.5 72.7,24.6 v1(77.2,24.6)
NC1: J6.1 RL1.4 VR1.1 | length 20.4
  Top Layer w1.27: RL1.4 141.755,96.109 ; VR1.1 142.451,95.483 143.364,94.57 J6.1
NC2: J7.1 RL2.4 VR2.1 | length 21.1
  Top Layer w1.27: RL2.4@128.393,77.393 RL2.4 141.255,77.409 142.281,76.383 VR2.1 147.815,76.383 148.631,75.567 J7.1
NC3: J10.1 RL3.4 VR5.1 | length 21.1
  Top Layer w1.27: RL3.4 141.951,58.613 142.281,58.283 VR5.1 142.351,58.283 144.034,56.6 148.543,56.6 J10.1
NC4: J11.1 RL4.4 VR6.1 | length 20.8
  Top Layer w1.27: RL4.4 135.901,39.563 136.781,38.683 VR6.1 147.328,38.683 148.511,37.5 J11.1
NetBR1_1: BR1.1 T1.8
NetBR1_2: BR1.2 T1.11
NetBR1_3: BR1.3 C6.1 D1.1
NetD2_C: D2.C L1.1 U1.2
NetD3_1: D3.1 R2.1 | length 4.2
  Top Layer w0.3: D3.1 103.254,91.946 R2.1
NetD3_2: D3.2 D4.1 Q1.3 RL1.2 | length 0
NetD5_1: D5.1 R3.1 | length 3.3
  Top Layer w0.3: R3.1 103.272,73.55 D5.1
NetD5_2: D5.2 D6.1 Q2.3 RL2.2 | length 0
NetD7_1: D7.1 R6.1 | length 3.3
  Top Layer w0.3: D7.1 103.254,54.608 R6.1
NetD7_2: D7.2 D8.1 Q3.3 RL3.2 | length 0
NetD9_1: D9.1 R7.1 | length 3.4
  Top Layer w0.3: D9.1 103.254,35.069 R7.1
NetD9_2: D9.2 D10.1 Q4.3 RL4.2
NetJ9_2: J9.2 R11.2 R12.2 U4.6 | length 22.9
  Top Layer w0.6: R11.2@68.5,82.66 68.56,82.6 69.36,82.6 U4.6 77.09,84.87 J9.2
NetJ9_3: J9.3 R11.1 R13.2 U4.7 | length 38.6
  Top Layer w0.6: U4.7 72.075,77.315 69.375,77.315 R13.2 69.36,80.34 68.86,80.84 R11.1 66.06,80.84 65.1,81.8 65.1,85.1 66.6,86.6 v1(75,86.6) ; J9.3 82.1,95.99 v1(82.1,90.6)
  Bottom Layer w0.6: v1(75,86.6) 78.1,86.6 v1(82.1,90.6)
NetQ1_1: Q1.1 R4.2 | length 3.6
  Top Layer w0.3: R4.2 Q1.1
NetQ2_1: Q2.1 R5.2 | length 3.6
  Top Layer w0.3: R5.2 Q2.1
NetQ3_1: Q3.1 R8.2 | length 3.6
  Top Layer w0.3: R8.2 Q3.1
NetQ4_1: Q4.1 R9.2 | length 3.4
  Top Layer w0.3: R9.2 93.731,30.068 Q4.1
NetR1_2: R1.2 T1.1 | length 16.2
  Top Layer w1.524: R1.2 52.778,86.482 T1.1
NO1: J6.3 RL1.5 VR3.2 | length 20.9
  Top Layer w1.27: RL1.5 128.164,84.126 134.866,84.126 VR3.2 134.919,84.144 135.345,84.57 J6.3
NO2: J7.3 RL2.5 VR4.2 | length 20.4
  Top Layer w1.27: RL2.5 128.395,65.426 134.866,65.426 VR4.2 148.508,65.444 148.631,65.567 J7.3
NO3: J10.3 RL3.5 VR7.2 | length 19.9
  Top Layer w1.27: RL3.5 134.318,46.613 ; VR7.2 147.91,47.144 148.504,46.55 J10.3
NO4: J11.3 RL4.5 VR8.2 | length 20.1
  Top Layer w1.27: RL4.5 128.704,27.636 140.043,27.636 VR8.2 148.35,27.661 148.511,27.5 J11.3
RX: J5.5 U3.34 | length 19.7
  Top Layer w0.279: J5.5 59.21,31.91 61.584,34.284 61.584,35.328 61.575,35.338 U3.34
S_VN: J1.4 U3.5 | length 10.9
  Top Layer w0.279: U3.5 61.575,18.925 63.5,17 64.54,17 J1.4
S_VP: J1.3 U3.4 | length 9.7
  Top Layer w0.279: U3.4 60.305,18.695 J1.3
SCL: J5.3 U3.36 | length 19
  Top Layer w0.279: J5.3 45.835,26.865 48.065,26.865 v1(48.1,26.9) ; v1(58.1,33.9) 59.035,34.835 U3.36
  Bottom Layer w0.279: v1(48.1,26.9) 50.1,26.9 57.1,33.9 v1(58.1,33.9)
SD0: J3.5 U3.21 | length 18.3
  Top Layer w0.279: U3.21 74.052,30.6 76.3,30.6 76.9,31.2 76.9,38.6 81.466,43.166 81.466,44.086 J3.5
SD1: J4.1 U3.22 | length 15.4
  Top Layer w0.279: J4.1 66.4,42.68 66.4,41.314 v1(66.42,41.294) ; v1(71.4,32) 73.922,32 U3.22
  Bottom Layer w0.279: v1(66.42,41.294) 66.42,36.98 v1(71.4,32)
SD2: J3.1 U3.17 | length 14.2
  Top Layer w0.279: U3.17 74.072,25.5 76.4,25.5 79.1,28.2 79.1,33.2 80.06,34.16 J3.1
SD3: J3.2 U3.18 | length 15.8
  Top Layer w0.279: U3.18 74.042,26.8 76.7,26.8 78.567,28.667 78.567,35.367 80,36.8 81.6,36.8 J3.2
SDA: J5.2 U3.33 | length 25.9
  Top Layer w0.279: J5.2 47.79,24.29 49.1,25.6 49.1,28.9 51.4,31.2 59.4,31.2 62.845,34.645 U3.33
TX: J5.4 U3.35 | length 19.6
  Top Layer w0.279: J5.4 45.815,29.385 48.185,29.385 v1(48.2,29.4) ; v1(54.3,33.2) 59.4,33.2 60.305,34.105 U3.35
  Bottom Layer w0.279: v1(48.2,29.4) 50.5,29.4 v1(54.3,33.2)
pads on no net: U1.6 U2.4 U3.32

## Polygon pours and split planes (outlines as drawn)
GND on Top Layer "GND_L01_P054" (solid, remove dead copper, pour order 54): 0,78 2,80 14,80 16,78 16,39 18,37 40.714,37 43.057,41.1 46.314,41.1 53,45 63,45 65,47 65,98 68,101 152,101 154,99 154,2 152,0 2,0 0,2
5VDC on Top Layer "Top Layer-5VDC" (solid, pour order 49): 36.9,4.4 38.3,3 84.8,3 91.2,9.4 91.2,91.4 90.5,92.1 89.9,92.1 89.2,91.4 89.2,9.4 84.6,4.8 39.7,4.8 38.5,6 38.5,12.4 38.2,12.7 36.2,12.7 34.7,14.2 34.7,18.6 33.3,20 33.3,33.6 32.9,34 30.3,34 29.8,33.5 29.8,31.8 18.9,20.9 14.9,20.9 13,22.8 9.5,22.8 6.6,25.7 6.6,29.3 6.4,29.5 5.4,29.5 5.1,29.2 5.1,25.4 8.8,21.7 13,21.7 14.9,19.8 20.1,19.8 27.7,27.4 29.8,27.4 29.8,22.9 28.6,21.7 28.6,14.2 29.9,12.9 33.4,12.9 36.6,9.7 36.6,4.7
3V3DC on Top Layer "Top Layer-3V3DC" (solid, pour order 37): 64.5,7.4 85,7.4 86.9,9.3 86.9,61.3 84.1,64.1 73.5,64.1 72.5,65.1 72.5,73 72.3,73.2 70.4,73.2 70.2,73.4 70.2,75.5 69.9,75.8 68.8,75.8 68.5,75.5 68.5,66.9 72.468,62.932 83.668,62.932 85.4,61.2 85.4,9.9 84,8.5 65.8,8.5 62.2,12.1 62.2,13.6 61.7,14.1 59.3,14.1 58.6,14.8 58.6,18.2 58.3,18.5 58.3,21.3 58.2,21.4 57.3,21.4 57.2,21.3 57.2,18.5 56.3,17.6 40.1,17.6 37.7,15.2 36.8,15.2 36.2,14.6 36.2,13.5 36.6,13.1 38,13.1 41.3,16.4 46.9,16.4 47.7,15.6 47.7,14.1 48.1,13.7 58.2,13.7
no net on Top Layer "NONET_L01_P038" (solid, pour order 38): 38.5,4.7
no net on Top Layer "NONET_L01_P027" (solid, pour order 27): 37,13.4
no net on Top Layer "NONET_L01_P026" (solid, pour order 26): 36.7,13.4
no net on Top Layer "NONET_L01_P023" (solid, pour order 23): 38.2,10.8
NetD2_C on Top Layer "NETD2_C_L01_P012" (solid, pour order 12): 9.6,29.6 9.8,29.4 9.8,25.1 10.2,24.7 18.3,24.7 19.8,26.2 19.8,33.8 20.2,34.2 23.4,34.2 23.7,33.9 23.7,26.9 18,21.2 15.3,21.2 13.3,23.2 9.7,23.2 8.7,24.2 8.7,29.4 8.9,29.6
9VDC on Top Layer "9VDC_L01_P008" (solid, pour order 8): 8.5,62.2 9.2,61.5 9.2,55 10.8,53.4 13.1,53.4 14.4,52.1 14.4,47.7 11.9,45.2 11.9,25.33 11.77,25.2 10.2,25.2 10.106,25.294 10.106,45.094 7.5,47.7 7.5,57 5.5,59 5.5,61.5 6.2,62.2
NetBR1_3 on Top Layer "NETBR1_3_L01_P007" (solid, pour order 7): 37.1,39 32.7,39 13.5,58.2 11.2,58.2 10.1,59.3 10.1,73 10.3,73.2 12.3,73.2 12.6,72.9 12.6,62.6 34.1,41.1 37,41.1 37.5,40.6 37.5,39.4 37.3,39.2
NetBR1_1 on Top Layer "NETBR1_1_L01_P003" (solid, pour order 3): 33.4,54.9 37.5,50.8 37.5,41.7 37.2,41.4 35.3,41.4 35,41.7 35,50.5 33.4,52.1 31.8,52.1 31.4,52.5 31.4,54.2 32.1,54.9
NetBR1_2 on Top Layer "NETBR1_2_L01_P002" (solid, pour order 2): 48.5,55 49.4,54.1 49.4,52.8 45.3,48.7 45.3,41.9 44.8,41.4 43.4,41.4 42.8,42 42.8,43.7 42.8,50.7 47.1,55
no net on Top Layer "NONET_L01_P001" (solid, pour order 1): 47.7,54.6
GND on Bottom Layer "GND_L02_P056" (solid, remove dead copper, pour order 56): 0,78 2,80 14,80 16,78 16,39 18,37 40.714,37 43.057,41.1 46.314,41.1 53,45 63,45 65,47 65,98 68,101 152,101 154,99 154,2 152,0 2,0 0,2

## Keep-outs
Keep-Out Layer:
  the board outline again, w0.254

## Other copper
Top Layer:
  region net 5VDC: 91.2,91.4 93.3,93.5 103.5,93.5 104.3,92.7 104.3,91.2 104.8,90.7 110.2,90.7 114,94.5 116.8,94.5 117.6,95.3 117.6,96.6 116.6,97.6 114.4,97.6 111.2,94.4 92.2,94.4 89.2,91.4
  region net 5VDC: 91.2,77.4 92.7,75.9 111.6,75.9 114.5,78.8 117.3,78.8 118.1,78 118.1,76.5 116.8,75.2 113.2,75.2 110.4,72.4 104.9,72.4 104.3,73 104.3,74.4 103.7,75 92.2,75 90.8,76.4 90.8,77.4
  region net 5VDC: 91.013,58.587 92.8,56.8 110.7,56.8 113.9,60 117.5,60 118.2,59.3 118.2,57.9 117.3,57 115.1,57 111,52.9 105,52.9 104.3,53.6 104.3,55.5 103.9,55.9 92.2,55.9 90.913,57.187
  region net 5VDC: 91,38.6 92.658,37.1 110.5,37.1 114.4,41 117.1,41 118.1,40 118.1,38.8 116.6,37.3 115,37.3 111.2,33.5 104.7,33.5 104.2,34 104.2,35.9 104,36.1 92.1,36.1 91,37.1
  region net 3V3DC: 72.5,73 73.4,73.9 73.4,75.2 72.8,75.8 69.9,75.8 69.9,73.1 70.2,72.8 72.5,72.8
  region net NetJ9_2: 72.9,80.9 73.3,80.5 73.3,79.2 74.6,77.9 74.6,71 74.3,70.7 73.1,70.7 72.8,71 72.8,72.8 73.8,73.8 73.8,77.8 72.7,78.9 71.3,78.9 71,79.2 71,80.5 71.4,80.9
  region net NetD3_2: 116.7,82.7 117.2,83.3 117.2,84.7 116.5,85.4 110.6,85.4 110.123,85.877 110.123,88.777 109.8,89.1 108.331,89.1 107.923,88.747 107.923,86.187 107.723,85.987 98.523,85.987 98.169,85.633 98.169,84.772 98.554,84.446 108.669,84.437 109.06,84.446 110.806,82.7
  region net NetD5_2: 117.646,65.346 117.646,66.046 116.846,66.846 111.246,66.846 110.3,67.792 110.3,70.3 110,70.6 108.415,70.6 108.1,70.327 108.1,68.596 107.9,68.396 98.7,68.396 98.346,68.042 98.346,67.181 98.731,66.855 108.846,66.846 109.237,66.855 111.846,64.246 117.046,64.246
  region net NetD7_2: 117.646,46.55 117.646,47.25 116.846,48.05 111.246,48.05 110.3,48.996 110.3,51.3 109.95,51.65 108.473,51.65 108.1,51.327 108.1,49.8 107.9,49.6 98.7,49.6 98.346,49.246 98.346,48.385 98.731,48.059 108.846,48.05 109.237,48.059 111.846,45.45 117.046,45.45
  region net NetD9_2: 117.9,27.5 117.9,28.2 117.1,29 111.5,29 110.3,30.2 110.3,32.2 109.9,32.6 108.4,32.6 107.8,32 107.8,30.7 107,29.9 98.8,29.9 98.3,29.4 98.3,28.7 98.6,28.4 110.1,28.4 112.1,26.4 117.3,26.4

## Silkscreen, mask and mechanical layers (free items; w line width, h text height)
Top Overlay:
  drawing of 5842 lines, arcs and shapes, not listed
  text "RS485" at 90.954,98.754 h1.52
  text "COMMUNICATION" at 85.854,96.454 h1.52
  text "IO18" at 65.754,56.554 h1.52
  text "IO5" at 65.754,54.354 h1.52
  text "IO17" at 65.754,52.154 h1.52
  text "IO15" at 65.754,50.054 h1.52
  text "SD1" at 65.654,47.954 h1.52
  text "CLK" at 83.454,41.054 h1.52
  text "CMD" at 83.454,38.454 h1.52
  text "SD3" at 83.354,36.054 h1.52
  text "IO23" at 38.454,33.754 h1.52
  text "SD2" at 83.454,33.454 h1.52
  text "RX" at 41.154,31.054 h1.52
  text "IO26" at 83.354,30.154 h1.52
  text "TX" at 41.054,28.654 h1.52
  text "IO27" at 83.454,27.554 h1.52
  text "SCL" at 39.854,26.254 h1.52
  text "IO14" at 83.454,24.954 h1.52
  text "SDA" at 39.754,23.554 h1.52
  text "IO12" at 83.454,22.554 h1.52
  text "IO19" at 38.854,20.854 h1.52
  text "IO13" at 83.454,19.854 h1.52
  text "3V3" at 60.054,10.946 h1.52 r270
  text "GND" at 62.754,10.946 h1.52 r270
  text "S_VP" at 65.308,10.946 h1.52 r270
  text "S_VN" at 67.908,10.946 h1.52 r270
  text "IO25" at 70.454,10.946 h1.52 r270
  text "IoT Board v1.0" at 131.454,0.854 h1.52

## Text inside footprints (layer, text, board x,y; h text height)
BR1: Top Overlay "-" at 43.584,36.831 h1.52; Top Overlay "+" at 35.833,36.865 h1.52; Top Overlay "~" at 44.342,46.136 h1.52 r180; Top Overlay "~" at 36.722,46.263 h1.52 r180
T1: Top Overlay "INPUT" at 56.32,85.887 h1.52; Top Overlay "OUTPUT" at 17.204,43.723 h1.52